# Altium PCB pcb.PcbDoc (part 1 of 2) (continued)
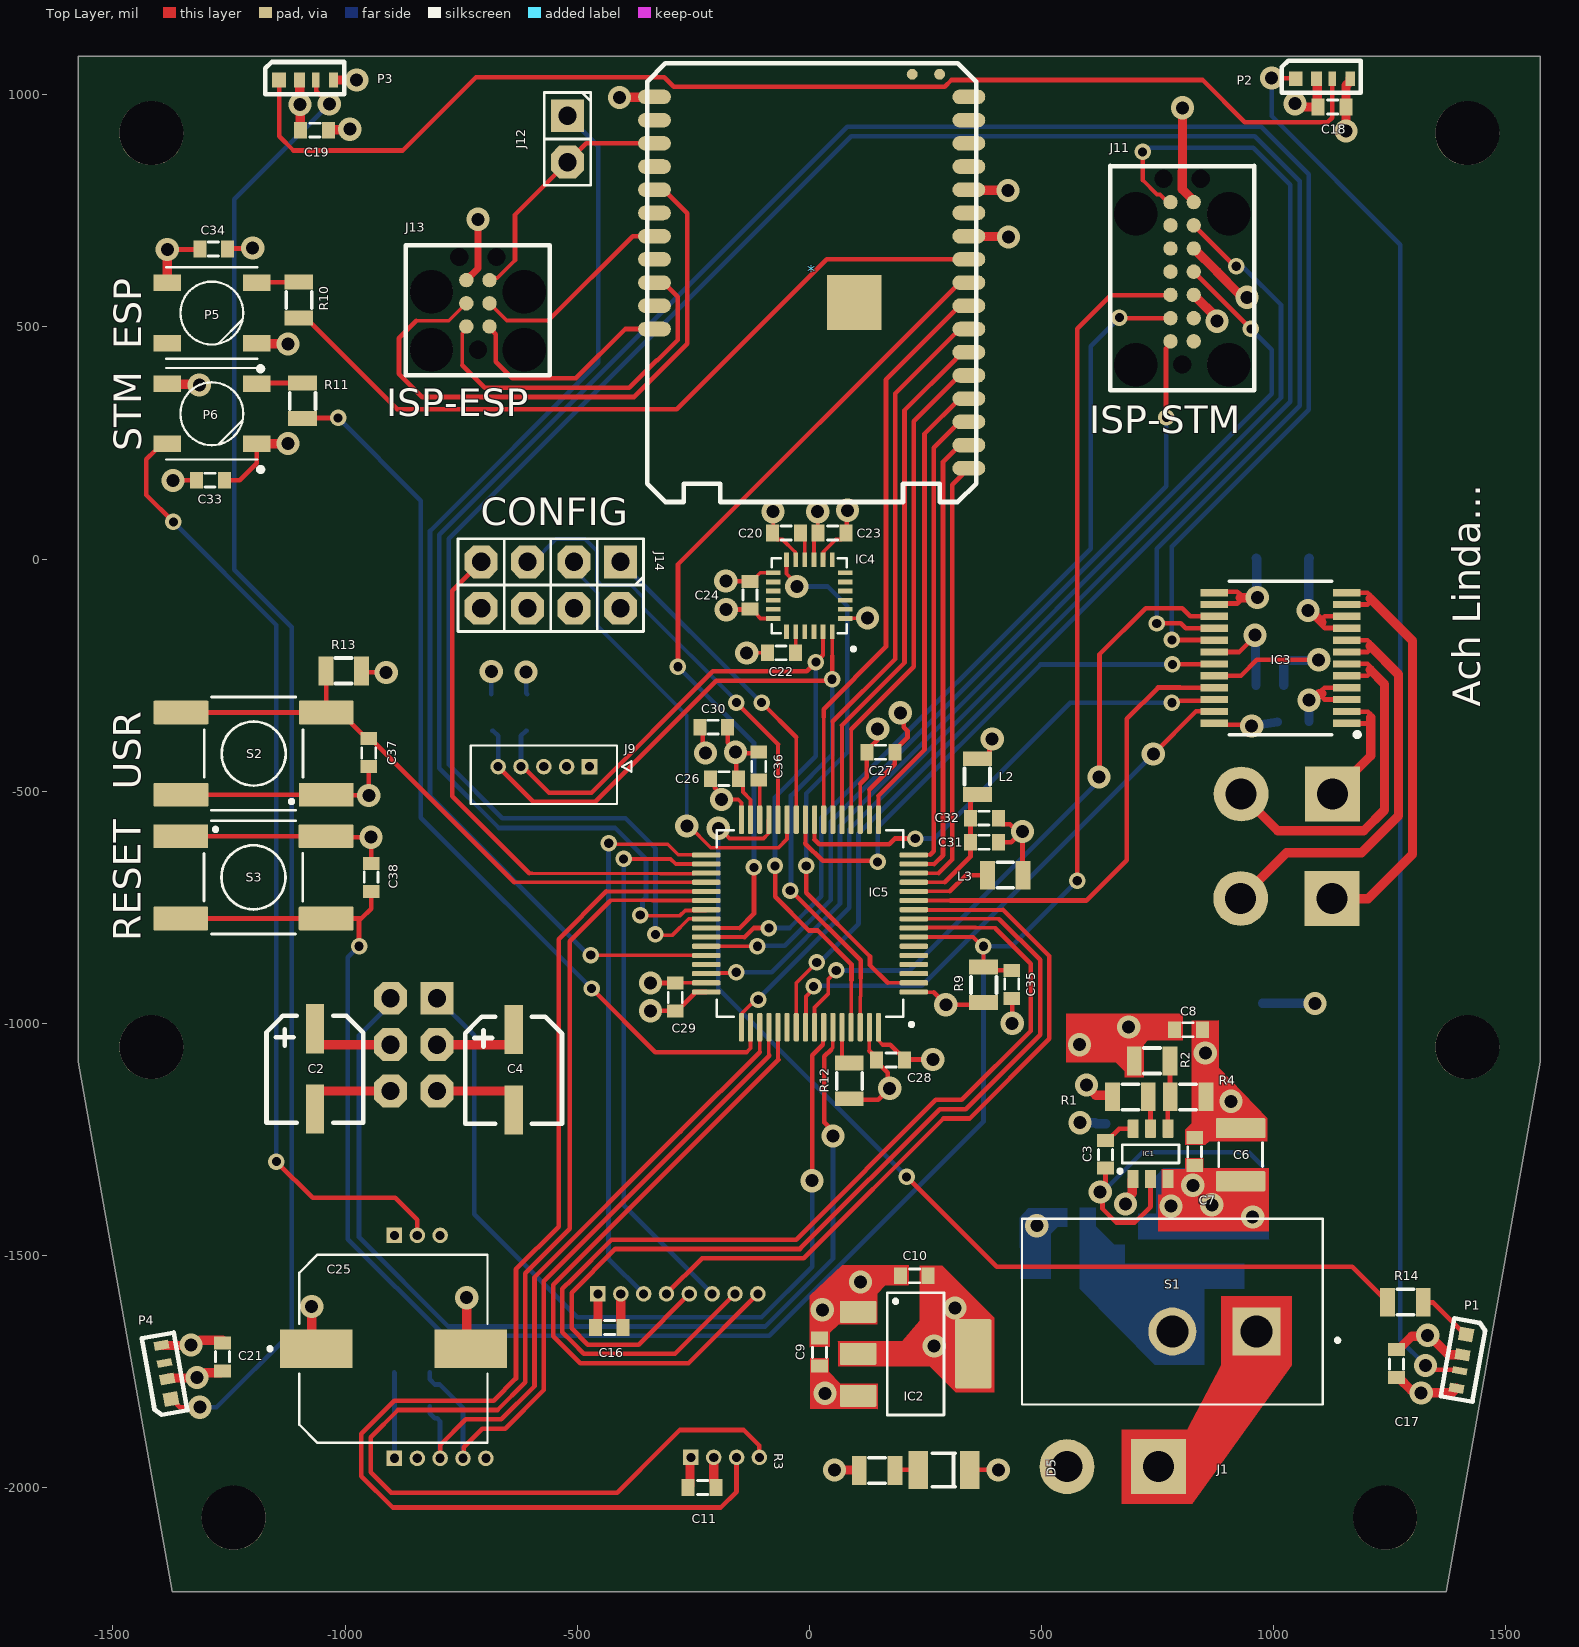
[diagram p0: Top Layer view]
## Components (designator, comment, footprint, x,y, rotation, side; value= is the part's Value field where it differs from the comment)
* "StampS3" Stamp-S3-SMD 0,590.55 r180 top
C1 "C 100nF 0603" 0603 570,-1418 r180 bottom value=100nF
C2 "C 47uF ALUM" HA1C470WR -1065,-1098 r180 top value=47uF
C3 "C 100nF 0603" 0603 638,-1282 r90 top value=100nF
C4 "C 47uF ALUM" HA1C470WR -637,-1100 r180 top value=47uF
C5 "C 47uF ALUM" HA1C470WR 639,-1130 r0 bottom value=47uF
C6 "C 10uF 1210" C_1210_A 929,-1283 r90 top value=10uF
C7 "C 100nF 0603" 0603 830,-1276 r90 top value=100nF
C8 "C 100nF 0603" 0603 817,-1014 r0 top value=100nF
C9 "C 10uF 0603" 0603 22,-1708 r90 top value=10uF
C10 "C 10uF 0603" 0603 226,-1544 r180 top value=10uF
C11 "C 10uF 0603" 0603 -231,-2000 r180 top value=10uF
C12 "C 100nF 0603" 0603 1047,-354 r0 bottom value=100nF
C13 "C 10uF 1210" C_1210_A 1020,2 r0 bottom value=10uF
C14 "C 100nF 0603" 0603 992,-220 r180 bottom value=100nF
C15 "C 10uF 0603" 0603 992,-272 r180 bottom value=10uF
C16 "C 10uF 0603" 0603 -431,-1655 r180 top value=10uF
C17 "C 100nF 0603" 0603 1265,-1733 r90 top value=100nF
C18 "C 100nF 0603" 0603 1126,974 r180 top value=100nF
C19 "C 100nF 0603" 0603 -1066,924 r180 top value=100nF
C20 "C 100nF 0603" 0603 -49,56 r0 top value=100nF
C21 "C 100nF 0603" 0603 -1264,-1719 r270 top value=100nF
C22 "C 2.2nF 0603" 0603 -60,-202 r0 top value=2.2nF
C23 "C 100nF 0603" 0603 49,56 r180 top value=100nF
C24 "C 10nF 0603" 0603 -128,-78 r270 top value=10nF
C25 "" UCD1H221MNL1GS -891,-1696 r0 top
C26 "C 100nF 0603" 0603 -183,-473 r0 top value=100nF
C27 "C 100nF 0603" 0603 154,-416 r0 top value=100nF
C28 "C 100nF 0603" 0603 175,-1079 r180 top value=100nF
C29 "C 100nF 0603" 0603 -289,-943 r90 top value=100nF
C30 "C 4.7uF 0603" 0603 -206,-362 r0 top value=4.7uF
C31 "C 100nF 0603" 0603 377,-610 r0 top value=100nF
C32 "C 1uF 0603" 0603 377,-558 r0 top value=1uF
C33 "C 100nF 0603" 0603 -1290,170 r0 top value=100nF
C34 "C 100nF 0603" 0603 -1283,668 r0 top value=100nF
C35 "C 100nF 0603" 0603 436,-916 r270 top value=100nF
C36 "C 4.7uF 0603" 0603 -109,-446 r90 top value=4.7uF
C37 "C 100nF 0603" 0603 -949,-417 r90 top value=100nF
C38 "C 100nF 0603" 0603 -944,-686 r270 top value=100nF
D1 "Schottky 60V/2A" SOD-123FL 731,-1491 r270 bottom
D2 "SMAJ12CA" SMA 566,-1513 r180 bottom
D3 "Schottky 60V/2A" SOD-123FL 822,-1491 r270 bottom
D4 "Schottky 60V/2A" SOD-123FL 913,-1491 r270 bottom
D5 "LED GREEN" LED_1206 290,-1962 r180 top
IC1 "Buck_5A_17V" SOT23-6 735,-1281 r90 top
IC2 "LDO_1A_3V3" SOT223 229,-1712 r0 top
IC3 "TB6612FNG" SOP65P760X160-24N 1015,-213 r180 top
IC4 "MPU-6050" MPU_6050 0,-78.74 r180 top
IC5 "STM32F446RE" STM32F446RET6 0,-787.4 r180 top
J1 "XT30PW" XT30PW-UP-M 751.85,-1955 r180 top
J2 "Pinheader_2x3" 61300621121 -802,-946 r270 bottom
J3 "PicoBlade_5_Vertical" PicoBlade_5_Vertical -893.7,-1937 r180 bottom
J4 "XT30PW" XT30PW-UP-F 1127,-506 r180 bottom
J5 "XT30PW" XT30PW-UP-F 1126,-731 r180 bottom
J6 "PicoBlade_4_Vertical" PicoBlade_4_Vertical -255.21,-1935 r180 bottom
J7 "PicoBlade_8_Vertical" PicoBlade_8_Vertical -455.43,-1582.69 r180 bottom
J8 "PicoBlade_3_Vertical" PicoBlade_3_Vertical -893.7,-1456.69 r180 bottom
J9 "PicoBlade_5_Vertical" PicoBlade_5_Vertical -473.57,-447 r0 top
J11 "TC2070" TC2070 828,469 r90 top
J12 "2Pin_Male" Header1x2_254 -521,905 r270 top
J13 "TC2030" TC2030 -689,501 r90 top
J14 "Pinheader_2x4" 61300821121 -407,-6 r180 top
L1 "L 4.7uH 13A" SRP1040VA 976,-1132 r90 bottom value=4.7uH
L2 "L Ferrit Bead" 0805 362,-468.5 r90 top value="600Ohm @ 100MHz"
L3 "L Ferrit Bead" 0805 422,-681 r0 top value="600Ohm @ 100MHz"
P1 "SK6812B" SK6812B 1414.73,-1670.63 r79.9 top
P2 "SK6812B" SK6812B 1047.94,1035 r180 top
P3 "SK6812B" SK6812B -1142,1032 r180 top
P4 "SK6812B" SK6812B -1375.27,-1809.37 r280.1 top
P5 "WS2812B" WS2812B_SMD -1287,530 r180 top
P6 "WS2812B" WS2812B_SMD -1287,313 r180 top
R1 "R 10K 0805" 0805 691.5,-1158 r180 top value=10k
R2 "R 56K 0805" 0805 738.5,-1081 r0 top value=56k
R3 "R 47K 0805" 0805 146,-1963 r180 top value=47k
R4 "R 10K 0805" 0805 816,-1158 r180 top value=10k
R5 "R 1K5 0805" 0805 -609,-331 r90 bottom value=1.5k
R6 "R 1K5 0805" 0805 -683,-331.5 r90 bottom value=1.5k
R7 "R 1K 0805" 0805 -856,-1825 r180 bottom value=1k
R8 "R 1K 0805" 0805 -856,-1752 r180 bottom value=1k
R9 "R 10K 0805" 0805 375,-917 r270 top value=10k
R10 "R 220R 0805" 0805 -1100,558 r270 top value=470R
R11 "R 220R 0805" 0805 -1092,341 r270 top value=470R
R12 "R 10K 0805" 0805 86,-1124 r270 top value=10k
R13 "R 10K 0805" 0805 -1003,-241 r0 top value=10k
R14 "R 220R 0805" 0805 1284,-1601 r0 top value=470R
S1 "Slide Switch" SW_GF_123_0054 782,-1621 r180 top
S2 "TactileButton" TactileButton-6x6mm -1197,-419 r180 top
S3 "TactileButton" TactileButton-6x6mm -1197.5,-685.58 r0 top

## Footprints (in the part's own frame and the unit in brackets; to place one, negate y for a bottom-side part, rotate by r counter-clockwise, add the part's x,y. Pads: shape width x height; smd on the part's side, far side on the other; paste and mask are expansions set on the pad)
0603 [mil]
  rect 28x36 smd: 1(-30,0) 2(30,0)
  silkscreen extent -12,-15 10,15, body extent -31,-16 32,16, height 12
0805 [mil]
  rect 32x62 smd: 1(-38.5,0) 2(38.5,0)
  silkscreen extent -18,-27 18,28, body extent -39,-25 39,25, height 31
61300621121 [mm]
  rect 1.8x1.8 hole 1: 1(0,0)
  oct 1.8x1.8 hole 1: 2(0,2.54) 3(2.54,0) 4(2.54,2.54) 5(5.08,0) 6(5.08,2.54)
  silkscreen extent -1.27,-1.27 6.35,3.81, body extent -1.27,-1.27 6.35,3.81, height 8.57
61300821121 [mm]
  rect 1.8x1.8 hole 1: 1(0,0)
  oct 1.8x1.8 hole 1: 2(0,2.54) 3(2.54,0) 4(2.54,2.54) 5(5.08,0) 6(5.08,2.54) 7(7.62,0) 8(7.62,2.54)
  silkscreen extent -1.27,-1.27 8.89,3.81, body extent -1.27,-1.27 8.89,3.81, height 9.37
C_1210_A [mm] "Chip Capacitor, 2-Leads, Body 3.20x2.50mm, IPC High Density"
  rrect10% 1.1x2.7 smd: 1(-1.45,0) 2(1.45,0)
  silkscreen extent -0.65,-1.2 0.65,1.2, body extent -1.7,-1.35 1.7,1.35, height 1.35
HA1C470WR [mm] "PCE4190TR-ND"
  rect 1x2.7 smd: 1(0,-2.2) 2(0,2.2)
  silkscreen extent -2.65,-2.9 2.65,2.95, body extent -2.76,-3.28 2.76,3.23, height 6.15
Header1x2_254 [mm]
  rect 1.8x1.8 hole 1: 1(-1.27,0)
  oct 1.8x1.8 hole 1: 2(1.27,0)
  silkscreen extent -2.54,-1.27 2.54,1.27, body extent -2.54,-1.27 2.54,1.27, height 8.54
LED_1206 [mil]
  rect 42x82 smd: A(55.5,0) K(-55.5,0)
  silkscreen extent -25,-36 25,36, body extent -62,-32 64,31, height 43
MPU_6050 [mm]
  rect 0.79x0.26 smd: 1(-1.97,1.25) 2(-1.97,0.75) 3(-1.97,0.25) 4(-1.97,-0.25) 5(-1.97,-0.75) 6(-1.97,-1.25) 13(1.97,-1.25) 14(1.97,-0.75) 15(1.97,-0.25) 16(1.97,0.25) 17(1.97,0.75) 18(1.97,1.25)
  rect 0.26x0.79 smd: 7(-1.25,-1.97) 8(-0.75,-1.97) 9(-0.25,-1.97) 10(0.25,-1.97) 11(0.75,-1.97) 12(1.25,-1.97) 19(1.25,1.97) 20(0.75,1.97) 21(0.25,1.97) 22(-0.25,1.97) 23(-0.75,1.97) 24(-1.25,1.97)
  silkscreen extent -2.51,-2.05 2.05,3.02, body extent -2,-2 2,2, height 0.93
PicoBlade_3_Vertical [mm]
  rect 0.85x0.85 / inner round 0.85 / far side rect 0.85x0.85 hole 0.5 mask+0.076: 1(0,0)
  round 0.85 hole 0.5 mask+0.076: 2(-1.25,0) 3(-2.5,0)
  silkscreen extent -4,-2.05 2.3,1.15, body extent -4.02,-2.11 1.48,1.09, height 4.28
PicoBlade_4_Vertical [mm]
  rect 0.85x0.85 / inner round 0.85 / far side rect 0.85x0.85 hole 0.5 mask+0.076: 1(0,0)
  round 0.85 hole 0.5 mask+0.076: 2(-1.25,0) 3(-2.5,0) 4(-3.75,0)
  silkscreen extent -5.33,-2.05 2.3,1.15, body extent -5.28,-2.03 1.47,1.17, height 4.28
PicoBlade_5_Vertical [mm]
  rect 0.85x0.85 / inner round 0.85 / far side rect 0.85x0.85 hole 0.5 mask+0.076: 1(0,0)
  round 0.85 hole 0.5 mask+0.076: 2(-1.25,0) 3(-2.5,0) 4(-3.75,0) 5(-5,0)
  silkscreen extent -6.5,-2.05 2.3,1.15, body extent -6.54,-2.11 1.46,1.09, height 4.28
PicoBlade_8_Vertical [mm]
  rect 0.85x0.85 / inner round 0.85 / far side rect 0.85x0.85 hole 0.5 mask+0.076: 1(0,0)
  round 0.85 hole 0.5 mask+0.076: 2(-1.25,0) 3(-2.5,0) 4(-3.75,0) 5(-5,0) 6(-6.25,0) 7(-7.5,0) 8(-8.75,0)
  silkscreen extent -10.25,-2.05 2.3,1.15, body extent -10.32,-2.11 1.43,1.09, height 4.28
SK6812B [mm] "SMD size 4020"
  rect 0.5x0.8 smd: 1(-2.979,0)
  rect 0.4x0.8 smd: 2(-1.999,0)
  rect 0.6x0.8 smd: 3(-1.119,0)
  rect 0.75x0.8 smd: 4(0.006,0)
  silkscreen extent -3.56,-0.98 0.76,0.78, body extent -3.4,-0.86 0.6,0.63, height 2
SMA [mm] "SODFL, 2-Leads, Body 2,67x5,10mm"
  rrect10% 1.5x1.7 smd: A(2,0) K(-2,0)
  silkscreen extent -2.22,-1.4 2.22,1.4, body extent -2.6,-1.3 2.6,1.3, height 2.4
SOD-123FL [mm] "SODFL, 2-Leads, Body 1.65x3.60mm, IPC High Density"
  rrect10% 1.25x1.1 smd: A(1.375,0) K(-1.375,0)
  silkscreen extent -1.95,-0.9 1.45,0.9, body extent -1.8,-0.9 1.8,0.9, height 0.98
SOP65P760X160-24N [mm]
  rect 1.5x0.4 smd: 1(-3.625,3.575) 2(-3.625,2.925) 3(-3.625,2.275) 4(-3.625,1.625) 5(-3.625,0.975) 6(-3.625,0.325) 7(-3.625,-0.325) 8(-3.625,-0.975) 9(-3.625,-1.625) 10(-3.625,-2.275) 11(-3.625,-2.925) 12(-3.625,-3.575) 13(3.625,-3.575) 14(3.625,-2.925) 15(3.625,-2.275) 16(3.625,-1.625) 17(3.625,-0.975) 18(3.625,-0.325) 19(3.625,0.325) 20(3.625,0.975) 21(3.625,1.625) 22(3.625,2.275) 23(3.625,2.925) 24(3.625,3.575)
  silkscreen extent -4.32,-4.2 2.8,4.32, body extent -3.8,-4.15 3.8,4.15, height 1.6
SOT23-6 [mm] "SOT23, 6-Leads, Body 3.10x1.75mm, Pitch 0.95mm, IPC Medium Density"
  rrect10% 1x0.6 smd: 1(-1.375,0.95) 2(-1.375,0) 3(-1.375,-0.95) 4(1.375,-0.95) 5(1.375,0) 6(1.375,0.95)
  silkscreen extent -1.05,-1.55 0.5,1.77, body extent -1.5,-1.55 1.5,1.55, height 1.45
SOT223 [mm] "SOT223, 4-Leads, Body 6,50x7,00mm (avg), Pitch 2,30mm"
  rrect10% 2x1.2 smd: D(-3.15,0) G(-3.15,2.3) S(-3.15,-2.3)
  rrect10% 2x3.8 smd: D(3.15,0)
  silkscreen extent -1.55,-3.35 1.55,3.35, body extent -3.5,-3.35 3.5,3.35, height 1.7
SRP1040VA [mm]
  rect 3.5x3.5 smd: 1(-4.45,0) 2(4.45,0)
  silkscreen extent -5.21,-5.08 4.95,4.95, body extent -5.54,-5.08 5.46,4.92, height 3.81
Stamp-S3-SMD [mm]
  rrect100% 1.8x0.8 smd: 1(-8.727,10.033) 2(-8.727,8.763) 3(-8.727,7.493) 4(-8.727,6.223) 5(-8.727,4.953) 6(-8.727,3.683) 7(-8.727,2.413) 8(-8.727,1.143) 9(-8.727,-0.127) 10(-8.727,-1.397) 11(-8.727,-2.667) 12(-8.727,-3.937) 13(-8.727,-5.207) 14(-8.727,-6.477) 15(-8.727,-7.747) 16(-8.727,-9.017) 17(-8.727,-10.287) 18(8.473,-10.287) 19(8.473,-9.017) 20(8.473,-7.747) 21(8.473,-6.477) 22(8.473,-5.207) 23(8.473,-3.937) 24(8.473,-2.667) 25(8.473,-1.397) 26(8.473,-0.127) 27(8.473,1.143) 28(8.473,2.413)
  round 0.6 smd: 29(-7.127,-11.527) 30(-5.627,-11.527)
  rect 3x3 smd: 31(-2.455,0.961)
  silkscreen extent -9.13,-12.13 8.87,11.87, body extent -9.23,-14.07 9.07,12.04, height 4.7
STM32F446RET6 [mm]
  rrect50% 1.56x0.28 smd: 1(-5.715,3.683) 2(-5.715,3.183) 3(-5.715,2.683) 4(-5.715,2.183) 5(-5.715,1.683) 6(-5.715,1.183) 7(-5.715,0.683) 8(-5.715,0.183) 9(-5.715,-0.317) 10(-5.715,-0.817) 11(-5.715,-1.317) 12(-5.715,-1.817) 13(-5.715,-2.317) 14(-5.715,-2.817) 15(-5.715,-3.317) 16(-5.715,-3.817) 33(5.645,-3.817) 34(5.645,-3.317) 35(5.645,-2.817) 36(5.645,-2.317) 37(5.645,-1.817) 38(5.645,-1.317) 39(5.645,-0.817) 40(5.645,-0.317) 41(5.645,0.183) 42(5.645,0.683) 43(5.645,1.183) 44(5.645,1.683) 45(5.645,2.183) 46(5.645,2.683) 47(5.645,3.183) 48(5.645,3.683)
  rrect50% 0.28x1.56 smd: 17(-3.785,-5.747) 18(-3.285,-5.747) 19(-2.785,-5.747) 20(-2.285,-5.747) 21(-1.785,-5.747) 22(-1.285,-5.747) 23(-0.785,-5.747) 24(-0.285,-5.747) 25(0.215,-5.747) 26(0.715,-5.747) 27(1.215,-5.747) 28(1.715,-5.747) 29(2.215,-5.747) 30(2.715,-5.747) 31(3.215,-5.747) 32(3.715,-5.747) 49(3.715,5.613) 50(3.215,5.613) 51(2.715,5.613) 52(2.215,5.613) 53(1.715,5.613) 54(1.215,5.613) 55(0.715,5.613) 56(0.215,5.613) 57(-0.285,5.613) 58(-0.785,5.613) 59(-1.285,5.613) 60(-1.785,5.613) 61(-2.285,5.613) 62(-2.785,5.613) 63(-3.285,5.613) 64(-3.785,5.613)
  silkscreen extent -5.69,-5.17 5.06,5.56, body extent -6,-6 6,6, height 1.63
SW_GF_123_0054 [mm]
  rect 2.625x2.625 hole 1.75: 1(-4.6,1.09)
  round 2.625 hole 1.75: 2(0,1.09)
  silkscreen extent -9.14,-5.08 8.23,5.08, body extent -8.23,-5.08 8.23,5.08, height 14.96
TactileButton-6x6mm [mm]
  rrect10% 3x1.3 smd: 1(-3.975,2.25) 2(3.975,2.25) 3(-3.975,-2.25) 4(3.975,-2.25)
  silkscreen extent -2.7,-3.1 2.7,3.1, body extent -4.63,-3.1 4.37,3.1, height 4.3
TC2030 [mm]
  round 2.3 hole 2.375 unplated: 0(-1.27,3.175) 0(-1.27,-1.905) 0(1.905,3.175) 0(1.905,-1.905)
  round 0.9 hole 0.995 unplated: 0(-1.27,0.635) 0(3.81,-0.381) 0(3.81,1.651)
  round 0.79 smd paste-0.39: 1(0,0) 2(0,1.27) 3(1.27,0) 4(1.27,1.27) 5(2.54,0) 6(2.54,1.27)
  silkscreen extent -2.67,-3.3 4.44,4.57
TC2070 [mm]
  round 2.3 hole 2.375 unplated: 0(-1.27,3.175) 0(-1.27,-1.905) 0(6.985,-1.905) 0(6.985,3.175)
  round 0.9 hole 1 unplated: 0(-1.27,0.635) 0(8.89,-0.381) 0(8.89,1.651)
  round 0.79 smd paste-0.39: 1(0,0) 2(1.27,0) 3(2.54,0) 4(3.81,0) 5(5.08,0) 6(6.35,0) 7(7.62,0) 8(7.62,1.27) 9(6.35,1.27) 10(5.08,1.27) 11(3.81,1.27) 12(2.54,1.27) 13(1.27,1.27) 14(0,1.27)
  silkscreen extent -2.67,-3.3 9.6,4.57
UCD1H221MNL1GS [mm]
  rect 3.96x2.12 smd: 1(-4.352,-0.127) 2(4.098,-0.127)
  silkscreen extent -6.98,-5.28 5.02,5.02, body extent -4.65,-4.51 4.65,4, height 10.34
WS2812B_SMD [mm]
  rect 1.5x0.9 smd: 1(2.45,-1.65) 2(2.45,1.65) 3(-2.45,1.65) 4(-2.45,-1.65)
  silkscreen extent -2.79,-2.5 2.5,3.17, body extent -2.7,-2.5 2.7,2.5, height 1.62
XT30PW-UP-F [mm] "XT30 female connector rated up to 15A and 30A peak at 500V"
  rect 3x3 hole 1.7: 1(0,0)
  round 3 hole 1.7: 2(5,0)
  body extent -2.6,-2.6 7.6,2.6, height 9.4
XT30PW-UP-M [mm] "XT30 male connector rated up to 15A and 30A peak at 500V"
  rect 3x3 hole 1.7: 1(0,0)
  round 3 hole 1.7: 2(5,0)
  body extent -2.6,-2.4 7.6,2.8, height 9.4

## Part data
C1 C3 C7 C8 C12 C14 C17 C18 C19 C20 C21 C23 C26 C27 C28 C29 C31 C33 C34 C35 C37 C38: library part C_100nF_0603, Supplier Part Number 1=1276-1012-1-ND, TempKoeff=Y5V, Tolerance=-20%/+80%, Voltage=50V, Part ID=C_100nF_0603, Price 1pc (CHF)=0.1, Supplier 1=Digi-Key
C2 C4 C5: library part C_47uF_ALUM, Supplier Part Number 1=PCE4190TR-ND, Tolerance=20%, Voltage=16V, Part ID=C_47uF_ALUM, Price 1pc (CHF)=0.08, Supplier 1=Digi-Key
C6 C13: library part C_10uF_1210, Supplier Part Number 1=445-7004-1-ND, TempKoeff=X7S, Tolerance=10%, Voltage=50V, Part ID=C_10uF_1210, Price 1pc (CHF)=0.81, Supplier 1=Digi-Key
C9 C10 C11 C15 C16: library part C_10uF_0603, Supplier Part Number 1=490-12317-1-ND, TempKoeff=X5R, Tolerance=10%, Voltage=16V, Part ID=C_10uF_0603, Price 1pc (CHF)=0.40, Supplier 1=Digi-Key
C22: library part C_2200pF_0603, Supplier Part Number 1=399-1085-1-ND, TempKoeff=X7R, Tolerance=10%, Voltage=50V, Part ID=C_2200pF_0603, Price 1pc (CHF)=0.1, Supplier 1=Digi-Key
C24: library part C_10000pF_0603, Supplier Part Number 1=1276-1009-1-ND, TempKoeff=X7R, Tolerance=10%, Voltage=50V, Part ID=C_10000pF_0603, Price 1pc (CHF)=0.10, Supplier 1=Digi-Key
C25: library part C_200u, Supplier Part Number 1=493-6390-1-ND, Supplier 1=Digi-Key
C30 C36: library part C_4_7uF_0603, Supplier Part Number 1=1276-1045-1-ND, TempKoeff=X5R, Tolerance=10%, Voltage=6.3V, Part ID=C_4_7uF_0603, Price 1pc (CHF)=0.1, Supplier 1=Digi-Key
C32: library part C_1uF_0603, Supplier Part Number 1=1276-6617-1-ND, TempKoeff=X7R, Tolerance=10%, Voltage=25V, Part ID=C_1uF_0603, Price 1pc (CHF)=0.29, Supplier 1=Digi-Key
D1 D3 D4: library part D_NTS260ESF, Current=2A, Forward Voltage=650mV@2A, Supplier Part Number 1=NTS260ESFT3GOSCT-ND, Voltage=60V, ComponentLink1Description=Datasheet, ComponentLink1URL=https://www.onsemi.com/pub/Collateral/NTS260ESF-D.PDF, Part ID=D_NTS260ESF, Price 10pcs=0.29, Supplier 1=Digi-Key
D2: library part D_SMAJ12CA, Current=20.1A, Supplier Part Number 1=SMAJ12CA-TPMSCT-ND, Voltage=12V, ComponentLink1Description=Datasheet, ComponentLink1URL=https://www.mccsemi.com/pdf/Products/SMAJ5.0-SMAJ440CA(SMA).pdf, Part ID=D_SMAJ12CA, Price 10pcs=0.39, Supplier 1=Digi-Key
D5: library part LED_GREEN_1206, Supplier Part Number 1=67-1357-1-ND, ComponentLink1Description=Datasheet, ComponentLink1URL=https://media.digikey.com/pdf/Data%20Sheets/Lite-On%20PDFs/LTST-C230KGKT.pdf, Part ID=LED_GREEN_1206, Peak Wavelenght=565nm, Price 10pcs=0.226, Supplier 1=Digi-Key
IC1: library part TPS565208, Current=5A, Frequency=500kHz, Supplier Part Number 1=296-48755-1-ND, Voltage Max=17, Voltage Out=Adj., ComponentLink1Description=Datasheet, ComponentLink1URL=https://www.ti.com/general/docs/suppproductinfo.tsp?distId=10&gotoUrl=https%3A%2F%2Fwww.ti.com%2Flit%2Fgpn%2Ftps565208, Part ID=TPS565208, Price 10pcs=1.1, Supplier 1=Digi-Key
IC2: library part NCP1117LP, "IC NCP1117LP LDO", Current=1A, Supplier Part Number 1=NCP1117LPST33T3GOSCT-ND, Voltage Max=18V, Voltage Out=3.3V, ComponentLink1Description=Datasheet, ComponentLink1URL=https://www.onsemi.com/pdf/datasheet/ncp1117lp-d.pdf, Part ID=NCP1117LP, Price 10pcs=0.34, Supplier 1=Digi-Key
IC3: Supplier Part Number 1=TB6612FNG,C,8,EL, ComponentLink1Description=Datasheet, ComponentLink1URL=https://toshiba.semicon-storage.com/info/TB6612FNG_datasheet_en_20141001.pdf?did=10660&prodName=TB6612FNG, Supplier 1="Arrow Electronics"
IC5: Supplier Part Number 1=511-STM32F446RET6, Supplier 1=Mouser
J2 J14: Supplier Part Number 1=8281522P, Supplier 1=Rs
J3 J9: Supplier Part Number 1=538-53047-0510, Supplier 1=Mouser
J6: Supplier Part Number 1=538-53047-0410, Supplier 1=Mouser
J7: Supplier Part Number 1=538-53047-0810, Supplier 1=Mouser
J8: Supplier Part Number 1=538-53047-0310, Supplier 1=Mouser
J12: library part Header_2, Supplier Part Number 1=732-5315-ND, ComponentLink1Description=Datasheet, ComponentLink1URL=https://katalog.we-online.de/em/datasheet/6130xx11121.pdf, Part ID=Header_2, Price 1pc (CHF)=0.13, Supplier 1=Digi-Key
L1: library part L_4.7uH_13A, Current=13A, Supplier Part Number 1=118-SRP1040VA-4R7MCT-ND, Tolerance=20%, ComponentLink1Description=Datasheet, ComponentLink1URL=https://www.bourns.com/docs/product-datasheets/srp1040va.pdf, Part ID=L_4.7uH_13A, Price 1pc (CHF)=2.03, Size="11mm x 10mm x 4mm", Supplier 1=Digi-Key
L2 L3: library part L_Ferrit_Bead, Current=2A, Supplier Part Number 1=732-1620-1-ND, ComponentLink1Description=Datasheet, ComponentLink1URL=https://katalog.we-online.de/pbs/datasheet/742792040.pdf, Part ID=L_Ferrit_Bead, Price 1pc (CHF)=0.22, Supplier 1=Digi-Key
P1 P2 P3 P4: "Angled", ComponentLink1Description=Supplier, ComponentLink1URL=https://www.digikey.ch/en/products/detail/adafruit-industries-llc/4691/13170955
R1 R4 R9 R12 R13: library part R_10k_0805, Power Dissipation=125mW, Supplier Part Number 1=311-10.0KCRCT-ND, Tolerance=1%, Part ID=R_10k_0805, Price 10pcs (CHF)=0.021, Supplier 1=Digi-Key
R2: library part R_56k_0805, Power Dissipation=125mW, Supplier Part Number 1=311-56.0KCRCT-ND, Tolerance=1%, Part ID=R_56k_0805, Price 10pcs (CHF)=0.045, Supplier 1=Digi-Key
R3: library part R_47k_0805, Power Dissipation=125mW, Supplier Part Number 1=A106064CT-ND, Tolerance=1%, Part ID=R_47k_0805, Price 10pcs (CHF)=0.09, Supplier 1=Digi-Key
R5 R6: library part R_1k5_0805, Power Dissipation=250mW, Supplier Part Number 1=RNCP0805FTD1K50CT-ND, Tolerance=1%, Part ID=R_1k5_0805, Price 10pcs (CHF)=0.072, Supplier 1=Digi-Key
R7 R8: library part R_1k_0805, Power Dissipation=125mW, Supplier Part Number 1=311-1.00KCRCT-ND, Tolerance=1%, Part ID=R_1k_0805, Price 10pcs (CHF)=0.021, Supplier 1=Digi-Key
R10 R11 R14: library part R_220R_0805, Power Dissipation=125mW, Supplier Part Number 1=A129741CT-ND, Tolerance=1%, Part ID=R_220R_0805, Price 10pcs (CHF)=0.052, Supplier 1=Digi-Key
S1: library part Slide_Switch, Current=8.5A, Supplier Part Number 1=CWI333-ND, Voltage=125V, ComponentLink1Description=Datasheet, ComponentLink1URL=https://media.digikey.com/pdf/Data%20Sheets/CW%20Industries%20PDFs/GF-123-0054_Dwg.pdf, Dimension=10mmx16.5mmx8.8mm, Part ID=Slide_Switch, Price 1pc (CHF)=1.17, Supplier 1=Digi-Key
S2 S3: Current=50mA, Supplier Part Number 1=679-2380-1-ND, Voltage=12V, ComponentLink1Description=Datasheet, ComponentLink1URL=https://media.digikey.com/pdf/Data%20Sheets/APEM%20Components%20PDFs/ADTS6,%20ADTSM,%20AKTSC6%20Series.pdf, Dimension=6.2mmx6.2mmx4.3mm, Part ID=TactileButton, Price 1pc (CHF)=0.59, Supplier 1=Digi-Key
P5 P6: ComponentLink1Description=Datasheet, ComponentLink1URL=http://cdn.sparkfun.com/datasheets/BreakoutBoards/WS2812B.pdf

## Free pads (board coordinates)
  round 137.8 hole 137.8 unplated: 0(-1417.32,-1051.18) 0(-1417.32,917.32) 0(-1240.12,-2064.96) 0(1240.34,-2064.96) 0(1417.32,-1051.18) 0(1417.32,917.32)

## Via types
v1: diameter 50, hole 28, Top Layer to Bottom Layer, 87 vias
v2: diameter 35.43, hole 19.68, Top Layer to Bottom Layer, 40 vias

## Nets (pads, with @x,y where several pads share a name; then routed paths per layer and width w, separated by ;. In a path a pad name is that pad's centre, name@x,y a point inside that pad or via, vN(x,y) a via of type N, cw(c..) or ccw(c..) an arc to the next point about the centre after c; other vN are vias at no path point)
3.3VDC: C10.1 C23.1 C24.1 C25.1 C26.1 C27.1 C28.1 C29.1 C30.1 IC2.D IC4.8 IC4.13 IC5.1 IC5.19 IC5.32 IC5.48 IC5.64 J3.1 J9.2 J11.3 L2.2 R5.2 R6.2 R7.2 R8.2 R9.2 R13.2 | length 1971.2
  Top Layer w8: v1(-189.51,-517.8) -153.2,-517.8 -146.26,-524.74 IC5.32@-146.26,-561.14 ; C24.1@-128,-48 -124,-48 -105.53,-29.53 IC4.13@-77.56,-29.53 ; IC4.8@29.53,-1.18 30.65,-0.06 30.65,15.96 38.69,24 38.8,24 56.8,42 69,42 79,52 C23.1@79,56 ; IC5.19@109.65,-561.14 109.65,-484.35 ; IC5.64@149.02,-1008.39 150.53,-1009.9 150.53,-1038.75 157.78,-1046 ; IC5.1@225,-932.4 225.6,-933 268,-933
  Top Layer w10: R13.2@-961.5,-244 v1(-911.41,-244) ; v1(-342,-973) C29.1@-289,-973 -285,-973 -247.95,-935.95 -247.95,-932.91 -247.44,-932.4 IC5.48@-222.24,-932.4 ; C30.1@-236,-362 -230,-368 -230,-412 v1(-224,-418) ; C26.1@-213,-473 -204,-482 -204,-492.49 -189.51,-506.98 v1(-189.51,-517.8) ; v1(-180,-47) -179.5,-47.5 -128.5,-47.5 C24.1@-128,-48 ; C23.1@79,52 80.5,53.5 80.5,103.5 v1(82,105) ; 109.65,-484.35 124,-470 C27.1@124,-416 124,-412 147.06,-388.94 147.06,-366.36 v1(147.26,-366.16) ; IC5.64@149.02,-1033.58 IC5.64@149.02,-1008.39 ; 157.78,-1046 174,-1046 194,-1066 196,-1066 206,-1076 206,-1078 v1(266,-1078) ; 268,-933 294,-959 v1(294,-960) 370.5,-960 R9.2@375,-955.5 ; L2.2@362,-430 377,-430 388,-419 388,-393.57 v1(393.78,-387.78)
  Top Layer w20: v1(-1072,-1610) -1072,-1691.34 C25.1@-1062.34,-1701 ; R13.2@-964.5,-241 R13.2@-961.5,-244 ; J11.3@828,569 828.28,569 878.11,519.17 v1(878.11,512.32)
  Layer 2 w20: -947,-1937 J3.1@-893.95,-1937 ; J3.1@-893.98,-1932.4 J3.1@-893.95,-1937 ; -893.7,-1976 J3.1@-893.95,-1937 ; -892,-1878 -893.78,-1890.45 ccw(c-873.98,-1893.27) -893.98,-1893.39 J3.1@-893.7,-1937 J3.1@-893.95,-1937 ; -525,-394 -522.79,-396.21 J9.2@-522.79,-447 -522.79,-483.52 -523,-483.73 -523,-483.52
  Bottom Layer w10: R8.2@-894.5,-1752 -893.7,-1752.8 J3.1@-893.7,-1937 ; R6.2@-685,-291 v1(-685,-242) ; v1(-610.12,-243.12) -610.12,-289.38 R5.2@-608,-291.5
  other v1: 269,-1695 314,-1613
5VDC: *.13 C2.1 C4.1 C5.1 C8.1 C9.1 C11.2 C14.1 C15.1 C16.2 C17.1 C18.1 C19.1 C21.1 C33.1 C34.1 IC2.S IC3.20 J2.3 J2.4 J6.1 J7.1 J8.1 J9.1 L1.2 P1.1 P2.1 P3.1 P4.1 P5.1 P6.1 R2.1 R3.2 | length 3114.2
  Top Layer w10: v1(-1383,667) -1314,667 C34.1@-1313,668 ; v1@-1370.5,169.5 C33.1@-1320.5,169.5 ; IC3.20@872.28,-251.39 929.82,-251.39 964.2,-217 v1(1097.2,-217)
  Top Layer w20: P4.1@-1395.84,-1693.91 -1332.91,-1693.91 v1(-1332,-1693) -1323.88,-1693 -1313.38,-1682.5 -1272,-1682.5 -1271.5,-1682 C21.1@-1264,-1682 ; P6.1@-1383.46,377.96 -1381.98,376.48 -1315.48,376.48 v1(-1314,375) ; P5.1@-1383.46,594.96 -1383.23,595.19 -1383.23,666.77 v1(-1383,667) ; v1(-1371,169) v1@-1370.5,169.5 ; C33.1@-1320.5,169.5 C33.1@-1320,170 ; C2.1@-1064.5,-1010.89 C2.1@-1065,-1011.39 -1065,-1036.31 -1055.31,-1046 J2.4@-902,-1046 ; C19.1@-1036,924 -1035,925 -991,925 v1(-990,926) ; P3.1@-1024.72,1032 v1(-975,1032) ; J2.3@-802,-1046 -646.69,-1046 -637,-1036.31 C4.1@-637,-1013.39 C4.1@-636,-1012.39 ; C16.2@-461,-1649 -461,-1645 -455.43,-1639.43 J7.1@-455.43,-1582.69 ; C11.2@-259,-1998 -257.11,-1996.11 -257.11,-1936.89 J6.1@-255.21,-1935 ; v1(54,-1962) 106.5,-1962 R3.2@107.5,-1963 ; *.13@343.58,795.55 344.36,794.78 427.22,794.78 v1(428,794) ; v1(1156,922) 1156,1020.18 1165.23,1029.41 P2.1@1165.23,1035 ; C17.1@1265,-1763 1269,-1763 1296.37,-1790.37 1312.24,-1790.37 v1(1317.98,-1796.11) ; v1@1318,-1796 1384.25,-1796 P1.1@1394.16,-1786.09
  Layer 2 w20: -1003,-1045 -1002,-1046 J2.4@-902,-1046 J2.3@-802,-1046 -690,-1046 -685,-1041 ; -969.7,-1456.69 J8.1@-893.7,-1456.69 ; -895,-1399 -893.7,-1400.3 J8.1@-893.7,-1456.69 ; -892,-1518 -893.7,-1516.3 J8.1@-893.7,-1456.69 ; -611,-1583 J7.1@-455.73,-1583 ; -474,-585 -473.57,-584.57 J9.1@-473.57,-447 -412,-447 -408,-443 ; -455.43,-1645 J7.1@-455.43,-1582.69 -455.43,-1519 ; -308,-1935 J6.1@-255.21,-1935 -255.21,-1883.57 ; -254,-1984 J6.1@-254,-1936.21
  Bottom Layer w20: v1(582,-1046) 636.39,-1046 C5.1@639,-1043.39 ; L1.2@976,-956.8 976.2,-957 v1(1089,-957) ; C15.1@1022,-272 C14.1@1022,-220 1023.5,-218.5 1095.7,-218.5 v1(1097.2,-217)
  other v1: 34,-1797 688,-1008
12VDC: C6.1 C7.1 C12.1 C13.1 D1.K D3.K D4.K IC1.3 IC3.13 IC3.14 IC3.24 R1.2 | length 460.9
  Top Layer w10: IC3.24@872.28,-353.75 875.14,-356.6 949.9,-356.6 v1(952.75,-359.46) ; IC3.14@872.28,-97.84 874.33,-95.8 922.09,-95.8 927.95,-89.94 927.95,-83 927.95,-76.06 922.09,-70.2 874.33,-70.2 IC3.13@872.28,-72.25
  Top Layer w20: v1(597,-1133) 597,-1135 617,-1155 650,-1155 R1.2@653,-1158 ; 927.95,-83 v1(965,-83)
  Bottom Layer w20: v1(952.75,-359.46) C12.1@1008,-351 ; C13.1@962.91,2 963.96,0.96 963.96,-81.96 v1(965,-83)
  other v1: 955,-1417 779,-1394 867,-1391 826,-1349
ESP32_ERROR: *.2 IC5.15 | length 988.9
  Top Layer w8: IC5.15@225,-656.81 269.19,-656.81
  Top Layer w10: 269.19,-656.81 288,-638 288,209.65 323.9,245.55 *.2@343.58,245.55
ESP32_OK: *.1 IC5.14 | length 952.6
  Top Layer w8: IC5.14@225,-676.5 278.35,-676.5 278.66,-676.18
  Top Layer w10: 278.66,-676.18 278.98,-676.18 308,-647.16 308,159.97 *.1@343.58,195.55
ESP32_RES1: *.3 IC5.16 | length 1014.2
  Top Layer w8: IC5.16@225,-637.13 260.59,-637.13
  Top Layer w10: 260.59,-637.13 268,-629.72 268,239.65 323.9,295.55 *.3@343.58,295.55
ESP32_RES2: *.4 IC5.17 | length 998.8
  Top Layer w8: IC5.17@149.02,-561.14 149.02,-509.98
  Top Layer w10: 149.02,-509.98 248,-411 248,269.65 323.9,345.55 *.4@343.58,345.55
ESP32_RES3: *.9 IC5.41 | length 1814.2
  Top Layer w8: IC5.41@-222.24,-794.61 -149.61,-794.61
  Top Layer w10: v2(-283,-232) -283,-11.35 323.9,595.55 *.9@343.58,595.55 ; -149.61,-794.61 -119.32,-764.32 v2(-119.32,-664.24)
  Bottom Layer w10: v2(-283,-232) -119.32,-395.68 v2(-119.32,-664.24)
ESP32_RESET: IC5.44 J12.1 | length 2380
  Top Layer w8: v2(-471,-853) -470.67,-853.33 -222.57,-853.33 IC5.44@-222.24,-853.66
  Bottom Layer w10: J12.1@-521,955 -455,889 -455,422.57 -817,60.57 -817,-511 -475,-853 v2(-471,-853)
ESP32_SPI_CLK: *.6 IC5.21 | length 1128
  Top Layer w8: IC5.21@70.28,-561.14 70.28,-358.29
  Top Layer w10: 70.28,-358.29 205,-223.57 205,320.14 315.41,430.55 315.41,431.25 329.71,445.55 *.6@343.58,445.55
ESP32_SPI_CS: *.5 IC5.20 | length 1073.3
  Top Layer w8: IC5.20@89.96,-561.14 89.96,-366.89 90.39,-366.47
  Top Layer w10: 90.39,-366.47 225,-231.85 225,296.65 323.9,395.55 *.5@343.58,395.55
ESP32_SPI_MISO: *.7 IC5.22 | length 1189.6
  Top Layer w8: IC5.22@50.59,-561.14 50.57,-349.72
  Top Layer w10: 50.57,-349.72 185,-215.28 185,356.65 323.9,495.55 *.7@343.58,495.55
ESP32_SPI_MOSI: *.8 IC5.23 | length 1247.9
  Top Layer w8: IC5.23@30.91,-561.14 30.91,-341.09
  Top Layer w10: IC5.23@30.91,-561.14 IC5.23@31,-561.05 ; 30.91,-341.09 30.91,-323.3 165,-189.21 165,386.65 323.9,545.55 *.8@343.58,545.55